# KiCad board amix 68k (r0).kicad_pcb (continued)
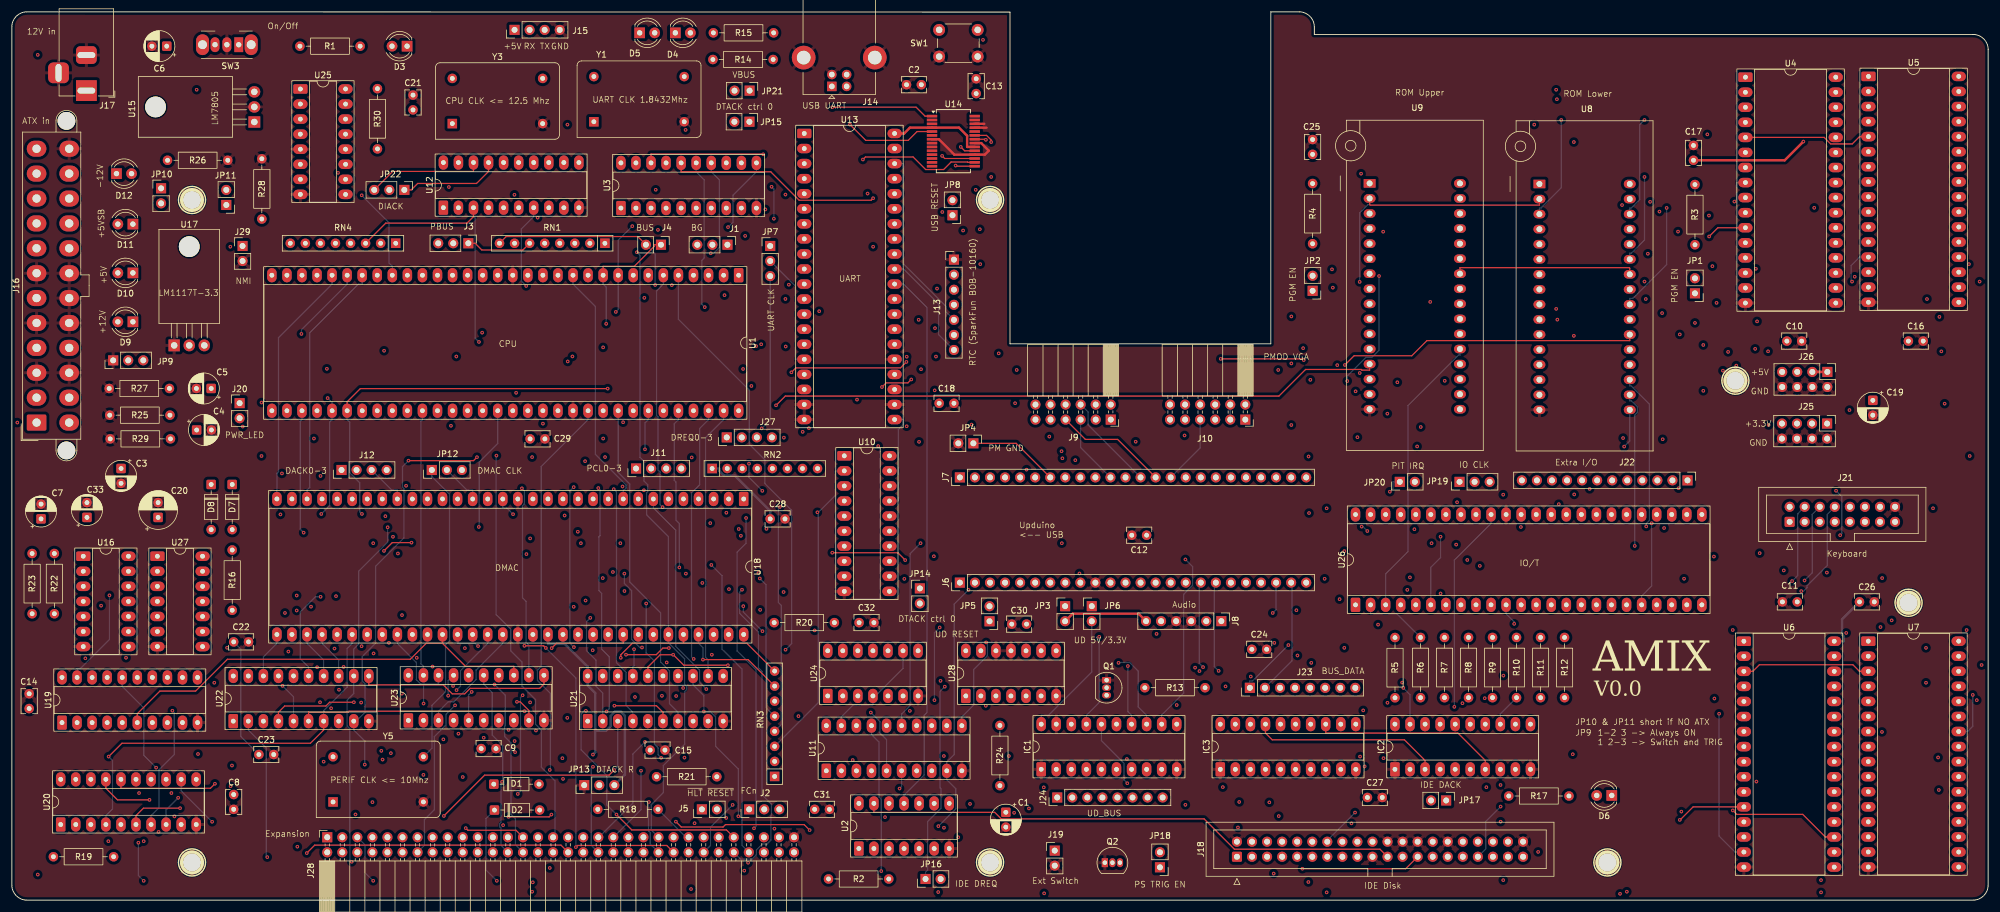
[diagram p0: board, top side]
## Routing (per net, layer and track width the routed paths; a pad name or vN(x,y) marks a point on that pad's centre or on a via; arc(x,y) is an arc through that point) (continued)
  In2.Cu w0.2: J28.44 104.75,6.28 57.99,6.28 57.58,5.87 52.66,5.87 50,8.54 48.64,8.54 v1(48.16,9.02) ; v1(51.5,39.29) 51.46,39.32 47.51,39.32 U22.16 ; v1(50.96,77.87) 53.72,80.63 89.34,80.63 v1(89.58,80.39)
A23: length 246.3
  In1.Cu w0.2: v1(38.94,79.9) 38.81,79.76 38.81,40.4 ; 38.81,40.4 37.96,40.4 36.18,38.63 36.18,19.93 v1(36.9,19.21) ; 38.81,40.4 39.89,39.32 U22.19 ; U3.6 115.44,114.33 109.35,108.23 108.09,108.23 106.03,106.18 106.03,104.68 92.12,90.77 U1.52
  In2.Cu w0.2: U1.52 92.12,81.07 40.11,81.07 v1(38.94,79.9) ; v1(107.46,16.56) 87.98,16.56 86.02,18.52 83.82,18.52 83.75,18.46 70.22,18.46 69.47,19.21 v1(36.9,19.21)
  Bottom w0.2: J28.46 107.69,9.46 107.69,11.39 107.39,11.69 107.39,16.49 v1(107.46,16.56)
AUDIO_L: length 7.2
  In1.Cu w0.2: J6.15 193.86,51.95 J8.5
AUDIO_R: length 7.9
  In1.Cu w0.2: J6.16 201.48,50.11 J8.2
BUS_BYTESEL: length 36.8
  In1.Cu w0.2: J6.7 175.03,53.44 175.03,24.72 176.18,23.57 IC1.2 176.18,18.63 176.34,18.47 J24.1
BUS_CS_N: length 58.3
  In1.Cu w0.2: IC1.7 188.88,17.48 J24.6 ; J6.5 169.92,53.41 169.92,39.62 167.67,37.37 167.67,35.89 167.39,35.6 167.39,30.63 168.18,29.84 v1(168.18,24.31)
  In2.Cu w0.2: IC1.7 188.88,23.87 188.34,24.41 168.28,24.41 v1(168.18,24.31)
BUS_DATA0: length 79.8
  In1.Cu w0.2: IC3.11 226.71,35.73 J23.8
  In2.Cu w0.2: IC2.9 253.63,23.57 249.01,28.19 226.71,28.19 IC3.11 ; J23.8 223.13,39.31 v1(200.94,39.31)
  Bottom w0.2: J6.17 200.3,53.31 200.3,39.95 v1(200.94,39.31)
BUS_DATA1: length 75
  In1.Cu w0.2: IC3.12 224.17,31.19 224.08,31.28 J23.7
  In2.Cu w0.2: v1(203.57,38.68) 221.22,38.68 J23.7 ; IC3.12 224.17,28.19 224.6,27.76 246.9,27.76 251.09,23.57 IC2.8
  Bottom w0.2: J6.18 202.84,53.31 202.84,39.41 v1(203.57,38.68)
BUS_DATA2: length 68.8
  Top w0.2: IC3.13 221.63,28.19 243.93,28.19 248.55,23.57 IC2.7
  In1.Cu w0.2: IC3.13 221.63,35.73 J23.6 221.47,35.82 214.65,42.64 214.65,53.88 213.76,54.76 206.83,54.76 J6.19
BUS_DATA3: length 73.3
  In1.Cu w0.2: IC2.6 246.01,23.57 244.7,24.88 v1(244.7,33.22) ; v1(208.99,37.72) 210.27,39.01 210.27,51.48 J6.20 ; J23.5 219,31.28 219.09,31.19 IC3.14
  In2.Cu w0.2: v1(208.99,37.72) 217.1,37.72 J23.5 220.2,34.62 231.41,34.62 232.05,35.26 234.05,35.26 234.15,35.16 237.06,35.16 237.16,35.26 242.66,35.26 v1(244.7,33.22)
BUS_DATA4: length 58.1
  In1.Cu w0.2: IC3.15 216.55,31.19 216.46,31.28 J23.4 214.12,38.16 214.12,50.17 J6.21
  In2.Cu w0.2: IC2.5 243.47,23.57 239.79,27.25 217.49,27.25 216.55,28.19 IC3.15
BUS_DATA5: length 56.5
  In1.Cu w0.2: IC3.16 214.01,31.19 213.92,31.28 J23.3 213.58,36.16 213.58,47.56 v1(212.69,48.45)
  In2.Cu w0.2: IC2.4 240.93,23.57 237.68,26.82 215.38,26.82 214.01,28.19 IC3.16
  Bottom w0.2: J6.22 213.26,49.01 v1(212.69,48.45)
BUS_DATA6: length 57.7
  Top w0.2: IC2.3 238.39,23.57 234.91,27.05 212.61,27.05 211.47,28.19 IC3.17
  In1.Cu w0.2: J23.2 211.38,31.28 211.47,31.19 IC3.17
  Bottom w0.2: J6.23 215.94,53.42 215.94,40.38 J23.2
BUS_DATA7: length 65.3
  In1.Cu w0.2: J6.24 218.34,46.03 v1(215.34,43.04) ; v1(232.05,33.3) 232.05,27.37 235.85,23.57 IC2.2 ; IC3.18 208.93,34.58 208.84,34.67 J23.1
  In2.Cu w0.2: J23.1 209.99,35.82 209.99,35.53 212.22,33.3 v1(232.05,33.3)
  Bottom w0.2: v1(215.34,43.04) 209.28,36.97 208.84,36.97 J23.1
BUS_RD_NWR: length 58.9
  In1.Cu w0.2: IC1.8 191.42,17.48 J24.7 ; J6.6 172.47,53.42 172.47,25.73 174.75,23.46 174.75,19.7 v1(174.07,19.03)
  In2.Cu w0.2: J24.7 189.87,19.03 v1(174.07,19.03)
BUS_REG_NUM0: length 39.1
  In1.Cu w0.2: J24.2 178.88,20.41 178.72,20.57 IC1.3 178.72,23.57 179.99,24.84 179.99,37.42 185.32,42.75 J6.11
BUS_REG_NUM1: length 39.8
  In1.Cu w0.2: 181.26,22.5 181.26,23.57 182.47,24.78 182.47,31.05 185.17,33.74 185.24,33.74 185.72,34.23 185.72,51.43 J6.12 ; 181.26,22.5 181.42,22.34 181.42,21.85 ; 181.26,22.5 IC1.4 181.26,22.01 181.42,21.85 ; 181.42,21.85 J24.3
BUS_REG_NUM2: length 39.1
  In1.Cu w0.2: J24.4 183.8,17.48 IC1.5 183.8,23.57 184.93,24.7 184.93,32.87 189.41,37.35 189.41,52.58 J6.13
BUS_REG_NUM3: length 39.7
  In1.Cu w0.2: J24.5 186.34,17.48 IC1.6 186.34,23.57 187.18,24.41 188.12,24.41 192.59,28.88 192.59,44.57 192.49,44.67 192.49,53.12 J6.14
BUS_RESET_N: length 4
  In1.Cu w0.2: J6.3 165,49.66 JP5.2
CLK: length 316
  In1.Cu w0.2: v1(81.74,75) 80.85,75.88 80.85,99.24 U1.15 87.04,106.93 86.24,107.73 86.24,111.57 86.76,112.09 86.76,135.85 Y3.8
  In2.Cu w0.2: JP12.3 75.92,73.04 78.21,75.33 81.4,75.33 v1(81.74,75) 82.19,75.45 112.56,75.45 113.19,76.08 145.82,76.08 145.89,76.01 146.39,76.01 146.46,76.08 152.14,76.08 154.42,73.8 166.72,73.8 168.81,71.71 168.81,70.96 170.26,69.51 232.7,69.51 232.8,69.4 248.12,69.4 JP19.3
  Bottom w0.2: v1(81.74,75) 81.69,74.95 81.69,48.17 84.15,45.71 84.15,42.07 86.05,40.17 86.05,36.12 88.34,33.83 88.34,29.68 89.32,28.7 89.32,22.42 91.62,20.11 91.62,10.93 J28.31
D0: length 519.9
  Top w0.2: v1(110.83,42.53) 109.82,42.53 108.71,41.41 v1(103.6,41.41)
  In1.Cu w0.2: v1(103.6,41.41) 103.6,40.71 102.21,39.32 U21.18 ; v1(206.83,12.26) 199.59,19.49 v1(199.59,39.23) ; U6.13 293.67,13.2 293.68,13.21 293.68,52.76 288.12,58.32 288.12,58.38 288.04,58.46 288.04,91.02 v1(289.51,92.5) 289.51,106.94 290.93,108.36 U4.13
  In2.Cu w0.2: U6.13 290.67,13.2 289.73,12.26 209.2,12.26 ; U19.18 13.54,39.07 18.29,39.07 19.74,40.53 67.09,40.53 68.05,41.49 102.23,41.49 102.32,41.57 103.43,41.57 v1(103.6,41.41) ; 209.2,12.26 J18.4 ; 209.2,12.26 v1(206.83,12.26) ; v1(199.59,39.23) 199.22,38.85 133.9,38.85 v1(130.51,42.25) 129.89,42.87 111.17,42.87 v1(110.83,42.53) ; v1(289.51,92.5) 288.38,91.36 257.68,91.36 U8.13
  Bottom w0.2: v1(130.51,42.25) 131.54,43.28 131.54,65.79 127.02,70.3 127.02,74.29 124.39,76.92 124.39,86.04 112.44,97.99 U1.5
D1: length 572.8
  In1.Cu w0.2: 293.39,90.18 v1(290.89,90.18) ; 293.39,90.18 293.39,56.84 294.11,56.12 294.11,20 ; 293.39,90.18 293.39,97.48 293.93,98.02 293.93,105.82 U4.14 ; 294.11,20 v1(294.28,20) ; 294.11,20 294.11,11.1 293.67,10.66 U6.14 ; v1(207.04,16.57) 205.91,16.57 200.15,22.33 200.15,38.46 v1(200.33,38.65) ; v1(53.86,32.38) 53.86,28.14 51.96,26.24 51.96,13 53.2,11.76 J28.1 ; U1.4 114.98,90.27 108.52,83.81 108.52,79.68 104.13,75.3 104.13,68.64 104.44,68.32 104.44,42.84 v1(104.95,42.33) ; v1(212.12,16.5) 211.74,16.12 J18.6 ; U21.17 104.75,34.63 v1(105.11,34.27) ; U19.17 16.08,36.07 14.73,34.72 14.73,11.49 v1(16.28,9.94)
  In2.Cu w0.2: v1(200.33,38.65) 200.09,38.4 133.17,38.4 129.13,42.44 113.01,42.44 112.58,42.01 111.16,42.01 111.07,41.92 105.36,41.92 v1(104.95,42.33) ; v1(290.89,90.18) 278.2,90.18 276.85,88.82 257.68,88.82 U8.14 ; v1(53.86,32.38) 54,32.24 85.99,32.24 86.23,32.48 91.77,32.48 93.56,34.27 v1(105.11,34.27) ; J28.1 16.95,10.61 v1(16.28,9.94) ; v1(207.04,16.57) 207.11,16.5 v1(212.12,16.5) 212.44,16.18 233.34,16.18 235.53,18.38 251.34,18.38 251.9,18.94 290.59,18.94 291.07,19.43 293.71,19.43 v1(294.28,20)
  Bottom w0.2: U21.17 104.75,39.32 104.95,39.53 v1(104.95,42.33)
D2: length 548.8
  Top w0.2: v1(111.55,41.4) 109.37,41.4 107.29,39.32 U21.16 ; v1(120.79,39.63) 113.35,39.63 111.58,41.4
  In1.Cu w0.2: J28.3 55.74,20.22 53.77,22.18 ; v1(169.07,14.74) 169.07,15.4 168.34,16.13 168.23,16.13 164.29,20.07 v1(164.29,32.79) ; v1(285.33,85.93) 286.6,84.66 286.6,58.3 286.51,58.21 286.51,57.72 286.6,57.63 286.6,32.84 v1(287.99,31.45) ; U1.3 117.52,89.95 113.67,86.1 113.67,75.2 111.73,73.26 111.73,70.72 111.91,70.54 111.91,47.94 109.65,45.68 109.65,43.96 110.29,43.32 110.89,43.32 111.55,42.66 v1(111.55,41.4) ; v1(288.64,89.33) 290.93,91.62 290.93,103.28 U4.15 ; v1(52.59,23.36) 53.77,22.18 ; 53.77,22.18 56.23,24.64 56.23,39.07 v1(55.95,39.35) ; J18.8 214.28,13.61 v1(213.71,14.18)
  In2.Cu w0.2: v1(55.95,39.35) 56.69,40.08 104.78,40.08 106.1,41.4 v1(111.55,41.4) ; v1(169.07,14.74) 213.15,14.74 v1(213.71,14.18) ; 285.33,86.28 v1(285.33,85.93) ; 285.33,86.28 285.59,86.28 v1(288.64,89.33) ; 285.33,86.28 257.68,86.28 U8.15 ; J18.8 215.55,8.59 217.24,8.59 218.09,7.74 218.09,6.96 218.89,6.16 257.39,6.16 259.97,8.74 290.04,8.74 290.67,8.12 U6.15 ; v1(164.29,32.79) 137.01,32.79 132.42,37.38 123.04,37.38 v1(120.79,39.63) ; v1(24.34,22.35) 25.35,23.36 v1(52.59,23.36)
  Bottom w0.2: v1(24.34,22.35) 22.26,24.43 22.26,32.43 18.62,36.07 U19.16 ; v1(287.99,31.45) 287.99,10.8 290.67,8.12 U6.15
D3: length 629
  In1.Cu w0.2: v1(113.24,35.79) 113.52,36.07 113.52,40.47 114.41,41.36 114.41,71.43 118.94,75.96 118.94,102.81 120.06,103.93 U1.2 ; U21.15 109.83,34.64 v1(109.66,34.47) ; v1(22.24,9.94) 22.26,9.97 22.26,34.96 21.16,36.07 U19.15 ; v1(271.98,76.52) 271.23,75.77 271.23,58.86 263.62,51.25 263.62,26.2 272.42,17.39 v1(272.42,1.43) ; v1(58.92,33.34) 58.92,11.25 J28.5 ; v1(278.38,99.04) 278.38,88.94 273.18,83.74 272.92,83.74 U8.17 ; v1(218.71,3.06) 215.6,6.17 215.6,8.64 J18.10 ; v1(305.19,3.37) 305.91,4.1 305.91,5.58 U6.17
  In2.Cu w0.2: 272.42,2.71 304.52,2.71 v1(305.19,3.37) ; 272.42,2.71 v1(272.42,1.43) ; 272.42,2.71 219.06,2.71 v1(218.71,3.06) 218.03,2.38 114.91,2.38 114.82,2.48 114.32,2.48 114.23,2.38 61.84,2.38 v1(60.96,3.26) ; v1(113.24,35.79) 112.98,35.53 112.66,35.53 ; v1(278.38,99.04) 304.46,99.04 306.17,100.74 U4.17 ; v1(109.66,34.47) 110.29,33.84 112.3,33.84 112.66,34.19 112.66,35.53 ; 112.66,35.53 85.85,35.53 84.1,33.78 59.36,33.78 v1(58.92,33.34) ; v1(22.24,9.94) 48.09,9.94 48.62,9.41 57.09,9.41 J28.5
  Bottom w0.2: v1(60.96,3.26) 59.55,4.67 59.55,9.34 J28.5 ; U8.17 272.92,77.46 v1(271.98,76.52)
D4: length 615.4
  In1.Cu w0.2: U19.14 23.7,36.07 24.94,34.83 24.94,22.1 24.82,21.98 24.82,11.58 v1(24.75,11.51) ; J18.12 219.36,9.24 218.18,8.06 218.18,5.86 221.79,2.25 v1(221.79,1.31) ; v1(305.19,1.31) 304.55,1.94 304.55,6.76 305.91,8.12 U6.18 ; v1(126.6,69.06) 125.94,68.4 v1(125.94,55.19) ; U21.14 112.37,36.32 112.15,36.32 ; v1(273.76,59.76) 268.72,54.72 268.72,31.57 273.07,27.22 273.07,1.22 272.48,0.62 271.73,0.62 v1(271.28,1.07) ; v1(60.83,16.53) 60.83,10.62 J28.7 ; U8.18 272.92,86.28 273.17,86.28 275.63,88.73 v1(275.63,101.41) ; 112.15,34.44 113.66,32.93 113.66,25.59 114.11,25.14 114.11,13.22 112.99,12.11 112.99,3.45 v1(114.57,1.87) ; 112.15,34.44 v1(112.06,34.44) ; 112.15,34.44 112.15,36.32 ; v1(113.69,55.09) 113.69,47.62 112.15,46.08 112.15,36.32 ; U1.1 119.53,102.36 119.53,87.59 124.35,82.78 v1(124.35,73.64)
  In2.Cu w0.2: 270.98,1.07 222.03,1.07 v1(221.79,1.31) 221.13,1.97 114.67,1.97 v1(114.57,1.87) ; v1(112.06,34.44) 111.39,35.1 86.71,35.1 v1(86.16,34.56) ; v1(125.94,55.19) 125.84,55.09 v1(113.69,55.09) ; v1(275.63,101.41) 277.74,103.53 284.89,103.53 286.25,102.17 305.06,102.17 306.17,103.28 U4.18 ; 271.58,1.07 271.93,1.07 272.18,0.82 272.67,0.82 272.92,1.07 304.95,1.07 v1(305.19,1.31) ; v1(24.75,11.51) 25.01,11.26 32.58,11.26 33.11,11.79 59.64,11.79 J28.7 ; v1(85.34,17.92) 70.2,17.92 70.04,18.07 62.37,18.07 v1(60.83,16.53)
  Bottom w0.2: v1(85.34,17.92) 85.8,18.38 85.8,34.2 v1(86.16,34.56) ; v1(124.35,73.64) 124.35,71.31 v1(126.6,69.06) ; v1(273.76,59.76) 273.76,81.84 274.22,82.3 274.22,83.2 273.18,84.24 272.92,84.24 U8.18
D5: length 526
  Top w0.2: v1(290.3,15.14) 290.97,14.47 302.1,14.47 305.91,10.66 U6.19
  In1.Cu w0.2: v1(281.63,14.94) 281.63,24.39 276.05,29.96 276.05,62.7 v1(275.7,63.05) ; U19.13 26.24,39.07 29.31,39.07 30.08,38.29 30.08,34.68 32.47,32.29 32.47,25.72 v1(31.4,24.65) ; U8.19 272.92,88.82 273.17,88.82 274.91,90.56 274.91,103.86 v1(275.41,104.36) ; v1(62.33,25.19) 62.54,24.98 v1(62.54,23.71) 62.54,11.43 J28.9 ; U21.13 114.91,39.32 115.98,40.39 115.98,40.83 117.08,41.94 117.08,68.51 118.23,69.65 119.12,69.65 121.77,72.3 121.77,80.24 122.6,81.07 U1.64
  In2.Cu w0.2: v1(62.54,23.71) 63.22,23.03 90.54,23.03 90.61,23.1 101.16,23.1 105.92,27.86 114.53,27.86 116.01,29.34 116.01,31.11 v1(116.73,31.83) ; v1(275.41,104.36) 277.12,106.07 288.51,106.07 289.87,104.71 305.06,104.71 306.17,105.82 U4.19 ; v1(31.4,24.65) 32.43,25.68 61.84,25.68 v1(62.33,25.19) ; v1(122.55,14.15) 134.79,14.15 135.55,13.4 147.63,13.4 148.12,13.89 156.87,13.89 157.11,13.65 170.57,13.65 170.64,13.58 225.38,13.58 v1(226.58,14.78) 281.47,14.78 v1(281.63,14.94) 290.11,14.94 v1(290.3,15.14)
  Bottom w0.2: J18.14 221.9,10.1 v1(226.58,14.78) ; U21.13 114.91,36.32 116.73,34.5 v1(116.73,31.83) 117.81,31.83 118.72,30.92 118.72,25.96 122.55,22.14 v1(122.55,14.15) ; U8.19 272.92,86.78 273.14,86.78 276.23,83.68 276.23,64.06 275.7,63.52 v1(275.7,63.05)
D6: length 543.9
  In1.Cu w0.2: U21.12 117.45,36.32 117.01,36.32 116.01,35.32 116.01,17.15 115.16,16.3 v1(115.16,12.97) ; v1(275.97,109.06) 275.97,106.55 274.23,104.81 274.23,102.62 273.44,101.83 272.48,101.83 271.56,100.92 271.56,92.46 272.66,91.36 272.92,91.36 U8.20 ; U6.20 308.91,13.2 308.91,28.9 308.17,29.65 306.63,29.65 303.81,32.46 303.81,70.2 304.94,71.33 304.94,107.13 306.17,108.36 U4.20 ; U19.12 28.78,32.81 27.43,31.46 27.43,19.11 27.53,19.01 27.53,17.59 27.42,17.49 v1(27.42,14.12)
  In2.Cu w0.2: 115.16,12.72 v1(115.16,12.97) ; 115.16,12.72 115.06,12.62 89.14,12.62 87.37,10.85 87.37,10.13 86.68,9.44 67.07,9.44 J28.11 63.88,12.63 33.54,12.63 31.86,14.3 27.6,14.3 v1(27.42,14.12) ; 115.16,12.72 127.4,12.72 127.46,12.66 128.89,12.66 128.99,12.55 133.89,12.55 134.16,12.82 134.99,12.82 135.25,12.55 155.58,12.55 155.69,12.66 155.69,12.73 156.04,13.09 156.54,13.09 156.81,12.81 156.98,12.81 156.98,12.82 164.06,12.82 167.24,9.64 194.31,9.64 195.24,8.71 209.73,8.71 210.59,9.56 210.59,10.39 211.22,11.02 217.35,11.02 218.09,10.28 218.09,9.5 218.88,8.7 223.28,8.7 J18.16 226.35,11.77 304.47,11.77 305.91,13.2 U6.20 ; v1(275.97,109.06) 283.96,109.06 284.39,109.49 305.04,109.49 306.17,108.36 U4.20
  Bottom w0.2: U1.63 120.06,81.07 117.01,78.02 117.01,53.83 117.08,53.76 117.08,53.27 117.01,53.2 117.01,40.99 117.45,40.56 U21.12
D7: length 516.6
  In1.Cu w0.2: U4.21 306.17,110.9 296.25,100.98 v1(296.25,92.59) ; J28.13 65.79,13.26 65.79,34.84 v1(65.79,34.84) ; v1(225.97,12.95) 226.15,12.77 226.15,10.69 J18.18 ; v1(120.5,13.87) 120.5,15.84 121.09,16.43 121.09,35.22 119.99,36.32 U21.11 ; U6.21 305.91,15.74 294.87,26.78 294.87,57.47 294.07,58.27 v1(294.07,93.01)
  In2.Cu w0.2: 133.76,12.98 133.74,12.97 ; 133.76,12.98 133.74,12.97 ; 133.76,12.98 133.99,13.22 135.16,13.22 135.4,12.97 155.36,12.97 155.88,13.49 156.71,13.49 156.98,13.22 164.56,13.22 166.61,11.17 204.1,11.17 205.88,12.95 v1(225.97,12.95) 227.27,14.24 282.12,14.24 282.26,14.38 304.55,14.38 305.91,15.74 U6.21 ; 133.74,12.97 129.14,12.97 128.84,13.28 121.09,13.28 v1(120.5,13.87) ; U8.21 285.4,92.88 285.68,93.16 293.92,93.16 v1(294.07,93.01) 295.83,93.01 v1(296.25,92.59) ; 115.01,40.7 110.22,40.7 109.1,39.58 84.34,39.58 83.4,38.64 83.4,37.12 82.01,35.73 77.31,35.73 76.39,34.8 74.38,34.8 74.09,35.09 66.04,35.09 v1(65.79,34.84) 32.54,34.84 31.32,36.07 U19.11 ; 115.01,40.7 v1(115.01,40.7) ; 115.01,40.7 116.32,42.01 118.32,42.01 119.99,40.34 U21.11
  Bottom w0.2: v1(115.01,40.7) 114.65,41.06 114.65,68.7 116.02,70.07 116.02,79.57 117.52,81.07 U1.62
D8: length 626.9
  Top w0.2: v1(128.91,83.48) 130.47,85.04 213.74,85.04 218.23,89.53 227.62,89.53 227.73,89.42 229.04,89.42 229.04,89.93
  In1.Cu w0.2: U13.1 129.16,124.83 129.16,83.73 v1(128.91,83.48) ; 229.04,89.93 229.04,89.42 229.29,89.42 235.38,83.33 235.38,68 236.82,66.56 U26.44 236.82,63.56 236.73,63.56 233.15,59.98 233.15,46.27 234.53,44.9 v1(234.53,36.7) 234.29,36.7 231.45,33.85 231.45,24.86 230.78,24.19 230.78,24.15 227,20.37 ; 229.04,89.93 229.04,90.18 ; 229.04,89.93 229.04,90.18 ; v1(75.33,28.09) 70.98,23.73 J28.15 ; 229.04,90.18 U9.13 ; 227,20.37 224.37,20.37 224.17,20.57 IC3.9 ; 227,20.37 227.18,20.18 227.18,11.29 228.13,10.34 228.13,8.47 J18.17 ; v1(310.42,104.36) 310.59,104.19 310.59,78.04 308.87,76.32 308.87,61.97 309.43,61.4 v1(309.43,45.08) 309.43,15.44 311.66,13.21 U7.13 ; v1(97.58,47.62) 97.58,62.18 96.7,63.06 v1(96.7,74.05) ; v1(114.68,74.68) 114.68,80.77 114.98,81.07 U1.61
  In2.Cu w0.2: v1(114.68,74.68) 114.05,74.05 v1(96.7,74.05) ; U20.18 13.32,22.07 17.77,26.52 73.77,26.52 v1(75.33,28.08) 75.4,28.02 98.99,28.02 99.67,28.7 U21.2 ; v1(309.43,45.08) 309.33,44.98 262.58,44.98 R12.2 259.76,42.16 254.12,42.16 248.66,36.7 v1(234.53,36.7) ; v1(128.91,83.48) 128.31,84.07 114.98,84.07 U1.61
  Bottom w0.2: U21.2 99.67,34.93 98.54,36.06 98.54,40.48 96.94,42.09 96.94,46.98 v1(97.58,47.62) ; U5.13 311.68,108.49 310.27,107.08 310.27,104.5 v1(310.42,104.36)
D9: length 672.3
  Top w0.2: v1(23.22,16.92) 17.82,16.92 15.86,18.88 U20.17 ; v1(101.61,21.95) 100.75,21.09 79.75,21.09 v1(72.87,14.2)
  In1.Cu w0.2: IC3.8 221.63,20.57 225.37,16.82 225.37,12.7 225.59,12.48 225.59,8.47 J18.15 ; v1(106.3,42.63) 103.47,39.8 103.47,32.96 102.21,31.7 U21.3 ; U26.45 234.28,67.92 232.78,69.42 232.78,81.32 v1(232.03,82.07) 232.03,84.15 229.3,86.88 229.04,86.88 U9.14 ; v1(310.87,105.17) 310.36,105.17 309.78,104.6 309.78,82.88 v1(309.98,82.68) ; v1(257.47,8.14) 257.47,11.43 255.04,13.86 255.04,30.73 255.93,31.63 256.97,31.63 259.01,33.67 259.01,43.18 R11.2 255.87,46.32 255.87,61.64 v1(254.55,62.95) ; v1(142.57,84.44) 142.57,130.5 138.67,134.39 138.14,134.39 137.6,133.86 137.6,129.23 135.17,126.8 U13.2 ; J28.17 73.52,13.55 v1(72.87,14.2)
  In2.Cu w0.2: v1(23.22,16.92) 23.96,16.17 32.38,16.17 34.35,14.2 57.37,14.2 57.72,13.86 72.52,13.86 v1(72.87,14.2) ; U5.14 311.64,105.95 v1(310.87,105.17) ; v1(254.55,62.95) 253.95,63.56 234.28,63.56 U26.45 ; 229.04,87.39 229.04,86.88 152.18,86.88 150.07,84.77 142.57,84.77 ; 229.04,87.39 U9.14 229.04,87.39 ; U1.60 112.44,84.07 113.14,84.77 142.57,84.77 ; U7.14 311.66,10.67 310.32,9.33 258.66,9.33 v1(257.47,8.14) 257.07,8.54 225.66,8.54 J18.15 ; v1(112.59,56.13) 111.55,55.09 v1(103.33,55.09) ; 142.57,84.77 v1(142.57,84.44) ; v1(309.98,82.68) 308.99,81.69 232.41,81.69 v1(232.03,82.07)
  Bottom w0.2: U1.60 112.44,81.07 111.74,80.37 111.74,70.83 112.02,70.55 112.02,64.1 112.59,63.53 v1(112.59,56.13) ; v1(106.3,42.63) 105.9,42.63 104.54,43.99 104.54,52.22 103.33,53.43 v1(103.33,55.09) ; U21.3 102.21,22.55 v1(101.61,21.95)
D10: length 616.4
  Top w0.2: v1(34.26,19.63) 33.5,18.88 18.4,18.88 U20.16
  In1.Cu w0.2: 219.09,21.64 221.08,23.62 227.14,23.62 227.21,23.56 227.61,23.56 230.46,26.41 v1(230.46,46.49) 230.46,62.28 231.74,63.56 U26.46 231.74,66.56 231.43,66.88 231.43,82.21 229.3,84.34 229.04,84.34 U9.15 ; 219.09,21.64 IC3.7 ; 219.09,21.64 219.09,20.57 223.05,16.61 223.05,9.38 221.9,8.23 J18.13 ; J28.19 75.96,10.71 75.96,20.67 v1(76.06,20.77) 76.06,24.08 79.38,27.4 v1(79.59,27.4) ; U13.3 132.17,124.26 129.89,121.98 129.89,82.87 133.13,79.63 v1(134.46,79.63) ; U5.15 311.68,103.41 311.68,82.5 313.92,80.26 313.92,55.06 315.28,53.7 315.28,46.14 v1(315.22,46.07) 314.86,45.72 314.86,8.33 314.66,8.13 U7.15 ; v1(101.53,69.33) 101.53,79.04 v1(103.11,80.62)
  In2.Cu w0.2: 109.9,81.07 126.26,81.07 127.4,79.93 134.46,79.93 ; 109.9,81.07 109.45,80.62 v1(103.11,80.62) ; 109.9,81.07 U1.59 ; U21.4 104.75,28.7 103.5,27.44 79.63,27.44 v1(79.59,27.4) ; v1(34.26,19.63) 34.44,19.81 75.11,19.81 v1(76.06,20.77) ; U9.15 227.74,85.36 227.62,85.24 182.76,85.24 181.56,84.04 181.56,83.25 180.65,82.34 147.62,82.34 145.21,79.93 134.46,79.93 ; 134.46,79.93 v1(134.46,79.63) ; v1(315.22,46.07) 315.11,46.18 255.68,46.18 R10.2 251.65,46.49 v1(230.46,46.49)
  Bottom w0.2: U21.4 104.75,31.7 103.62,32.83 103.62,38.43 101.99,40.06 101.99,68.87 v1(101.53,69.33)
D11: length 660.2
  In1.Cu w0.2: v1(21.46,18.07) 20.94,18.58 U20.15 ; 244.28,82.31 244.28,81.8 245.36,80.71 245.36,68.7 v1(243.79,67.13) 244.39,67.13 245.62,65.9 245.62,60.64 248.25,58.01 248.25,45.84 R9.2 ; 244.28,82.31 U9.17 244.28,82.31 ; 106.69,69.16 106.69,75.95 v1(106.8,76.06) ; 106.69,69.16 106.78,69.06 106.78,50.68 106.4,50.29 106.4,49.8 106.9,49.3 106.9,41.67 106.18,40.95 106.18,32.81 107.29,31.7 U21.5 ; 106.69,69.16 v1(106.62,69.16) ; J18.11 220.51,8.47 220.51,16.61 216.55,20.57 216.55,21.64 ; v1(82.87,12.65) 82.87,13.99 83.43,14.55 83.43,25.46 v1(84.81,26.84) ; 326.37,83.76 326.37,13.24 327.67,11.94 329.13,11.94 329.9,11.17 329.9,10.2 329.11,9.4 327.67,9.4 326.9,8.62 326.9,5.59 U7.17 ; 326.37,83.76 326.37,100.32 326.92,100.87 U5.17 ; 326.37,83.76 v1(326.03,83.76) ; v1(131.07,103.83) 131.1,103.86 131.1,120.65 132.17,121.72 U13.4 ; U1.58 107.36,84.07 111.33,88.04 v1(111.33,103.75) ; U26.47 229.2,63.56 229.09,63.56 227.97,62.45 227.97,62.33 225.38,59.73 225.38,28.86 224.53,28.01 222.92,28.01 216.55,21.64 ; 216.55,21.64 IC3.6
  In2.Cu w0.2: v1(111.33,103.75) 111.41,103.83 v1(131.07,103.83) ; 229.2,66.84 156.01,66.84 154.35,68.51 127.99,68.51 126.85,69.66 107.12,69.66 v1(106.62,69.16) ; 229.2,66.84 U26.47 ; 229.2,66.84 229.48,67.13 v1(243.79,67.13) ; 244.28,83.08 U9.17 ; 244.28,83.08 244.28,83.33 ; 244.28,83.08 244.28,83.33 ; v1(84.81,26.84) 103.53,26.84 106.89,30.2 U21.5 ; 244.28,83.33 244.28,83.84 309.67,83.84 310.34,83.17 325.45,83.17 v1(326.03,83.76) ; v1(21.46,18.07) 21.46,17.82 24.41,14.87 33,14.87 34.23,13.63 57.38,13.63 57.55,13.45 76.11,13.45 78.6,10.97 J28.21 80.64,12.65 v1(82.87,12.65)
  Bottom w0.2: U1.58 107.36,81.07 106.8,80.51 v1(106.8,76.06)
D12: length 710.1
  Top w0.2: U21.6 109.83,31.7 108.73,32.8 v1(101.64,32.8)
  In1.Cu w0.2: v1(101.64,32.8) 101.64,34.95 101.09,35.49 101.09,42.23 102,43.14 102,59.86 102.04,59.9 ; v1(84.89,24.97) 84.74,24.82 84.74,13.67 81.68,10.61 J28.23 ; U26.48 226.66,63.56 224.77,61.67 v1(224.77,58.88) 224.77,58.88 v1(224.77,42.56) 222.77,40.57 222.77,28.82 217.52,23.57 214.01,23.57 IC3.5 214.01,20.57 217.97,16.61 217.97,8.47 J18.9 ; 102.04,59.9 102,59.94 102,68.94 102.13,69.08 102.13,78.38 104.82,81.07 U1.57 104.82,99.74 v1(106.7,101.61) ; 102.04,59.9 102.33,59.9 v1(102.65,60.22) ; v1(130.5,119.03) 130.47,119 130.47,101.45 v1(130.49,101.43) ; 244.28,84.85 U9.18 244.28,84.85 ; 244.28,84.85 244.28,84.34 244.01,84.34 242.97,83.3 242.97,66.23 243.03,66.16 243.03,47 R8.2 ; v1(331.93,104.35) 331.67,104.09 331.67,36.07 332.06,35.68 332.06,33.49 331.87,33.3 331.87,10.1 329.9,8.13 U7.18
  In2.Cu w0.2: U20.14 23.48,22.35 27.23,26.1 75.48,26.1 76.06,26.68 83.17,26.68 v1(84.89,24.97) 86.21,26.29 103.62,26.29 106.02,28.7 109.83,28.7 U21.6 ; v1(106.7,101.61) 106.88,101.43 v1(130.49,101.43) ; v1(224.77,58.88) 150.83,58.88 148.9,60.82 139.56,60.82 138.81,60.06 102.8,60.06 v1(102.65,60.22) ; U5.18 330.99,103.41 v1(331.93,104.35) ; J18.9 220.13,4.01 322.77,4.01 326.9,8.13 U7.18 ; v1(130.5,119.03) 130.64,119.18 U13.5 ; R8.2 243.96,42.56 v1(224.77,42.56)
D13: length 640.9
  Top w0.2: v1(112.01,13.24) 112.91,12.34 119.97,12.34 120.37,12.74 133.65,12.74 v1(134.57,11.82)
  In1.Cu w0.2: U5.19 326.92,105.95 325.76,104.79 325.76,92.86 v1(325.48,92.59) 325.42,92.52 325.42,81.48 325.67,81.23 325.67,11.9 326.9,10.67 U7.19 ; v1(124.75,86.74) 124.75,110.48 127.11,112.84 v1(127.11,116.53) ; U9.19 244.28,86.88 244.02,86.88 240.76,83.61 240.76,61.92 240.4,61.57 240.4,51.48 240.76,51.13 240.76,45.23 R7.2 ; v1(212.86,4.48) 214.28,5.91 J18.7 212.97,8.63 212.97,19.07 211.47,20.57 IC3.4 211.47,23.57 212.74,24.84 212.74,39.86 212.97,40.09 v1(212.97,43.4) ; U20.13 26.02,18.88 26.1,18.88 v1(26.91,18.07) ; v1(112.01,13.24) 112.37,13.6 U21.7
  In2.Cu w0.2: v1(134.57,11.82) 134.82,11.57 163.81,11.57 170.98,4.39 212.77,4.39 v1(212.86,4.48) ; v1(124.75,86.74) 104.95,86.74 102.28,84.07 U1.56 ; R7.2 240.56,45.42 229.51,45.42 226.66,48.28 ; 85.81,12.87 86.18,13.24 v1(112.01,13.24) ; 85.81,12.87 85.81,12.74 J28.25 ; 85.81,12.87 82.25,16.44 71.11,16.44 69.88,17.67 68.96,17.67 66.75,15.46 45.81,15.46 44.6,16.67 29.5,16.67 28.11,18.07 v1(26.91,18.07) ; 226.66,48.28 217.84,48.28 v1(212.97,43.4) ; 226.66,48.28 U26.1 ; 244.28,88.41 U9.19 244.28,88.41 ; 244.28,88.41 244.28,88.92 244.63,89.28 275.54,89.28 277.15,90.88 323.78,90.88 v1(325.48,92.59) ; U13.6 132.17,116.64 132.06,116.53 v1(127.11,116.53)
  Bottom w0.2: U1.56 102.28,72.15 104.23,70.2 104.23,53.67 109.44,48.46 109.44,40.17 110.93,38.68 110.93,33.14 112.37,31.7 U21.7
D14: length 662.5
  Top w0.2: v1(76.56,12.15) 76.93,11.79 85.04,11.79 J28.27
  In1.Cu w0.2: v1(98.93,69.52) 98.93,80.26 99.74,81.07 U1.55 v1(99.74,93.25) ; U7.20 329.9,13.21 329.9,34.59 330.36,35.05 330.36,74.93 ; R6.2 237.95,44.65 237.95,79.82 ; v1(227.42,24.22) 229.2,26 U26.2 ; 330.36,74.93 330.36,107.07 v1(330.13,107.3) ; 330.36,74.93 v1(330.26,74.93) ; U13.7 132.17,114.1 131.68,113.61 131.68,94.54 v1(130.54,93.4) ; J18.5 210.37,8.69 210.37,19.13 208.93,20.57 IC3.3 ; 237.95,79.82 v1(237.66,79.82) ; 237.95,79.82 237.95,90.92 243.57,96.54 244.98,96.54 245.58,95.94 245.58,95.1 244.98,94.5 244.04,94.5 242.97,93.43 242.97,89.93 243.49,89.42 244.28,89.42 U9.20 ; v1(88.41,28.62) 86.35,26.56 86.35,10.74 J28.27
  In2.Cu w0.2: v1(33.79,13.23) 33.96,13.05 75.66,13.05 v1(76.56,12.15) ; v1(330.13,107.3) 329.92,107.51 329.92,108.49 U5.20 ; 114.91,31.7 114.86,31.75 114.85,31.75 ; 114.91,31.7 114.91,31.7 ; 114.91,31.7 115.64,32.43 130.3,32.43 135.32,27.41 143.71,27.41 145.77,25.35 207.15,25.35 208.93,23.57 ; v1(330.26,74.93) 307.51,74.93 305.06,77.39 305.06,78.15 304.19,79.02 238.47,79.02 v1(237.66,79.82) ; 100.3,31.75 v1(100.3,31.83) ; 100.3,31.75 114.85,31.75 ; 100.3,31.75 99.26,31.75 98.56,31.06 98.56,29.28 97.9,28.62 v1(88.41,28.62) ; 208.93,23.57 209.58,24.22 v1(227.42,24.22) ; 208.93,23.57 IC3.3 ; 114.85,31.75 114.91,31.7 ; 114.91,31.7 U21.8 ; v1(130.54,93.4) 130.01,92.87 100.12,92.87 v1(99.74,93.25)
  Bottom w0.2: v1(98.93,69.52) 99.22,69.23 99.22,61.5 99.02,61.3 99.02,52.23 99.49,51.77 99.49,42.34 100.77,41.06 100.77,32.3 v1(100.3,31.83) ; R6.2 233.62,48.32 229.2,48.32 U26.2 ; v1(33.79,13.23) 28.56,18.45 U20.12
